# Altium PCB STM32F334R8T6Board_PCB.PcbDoc (part 1 of 2) (continued)
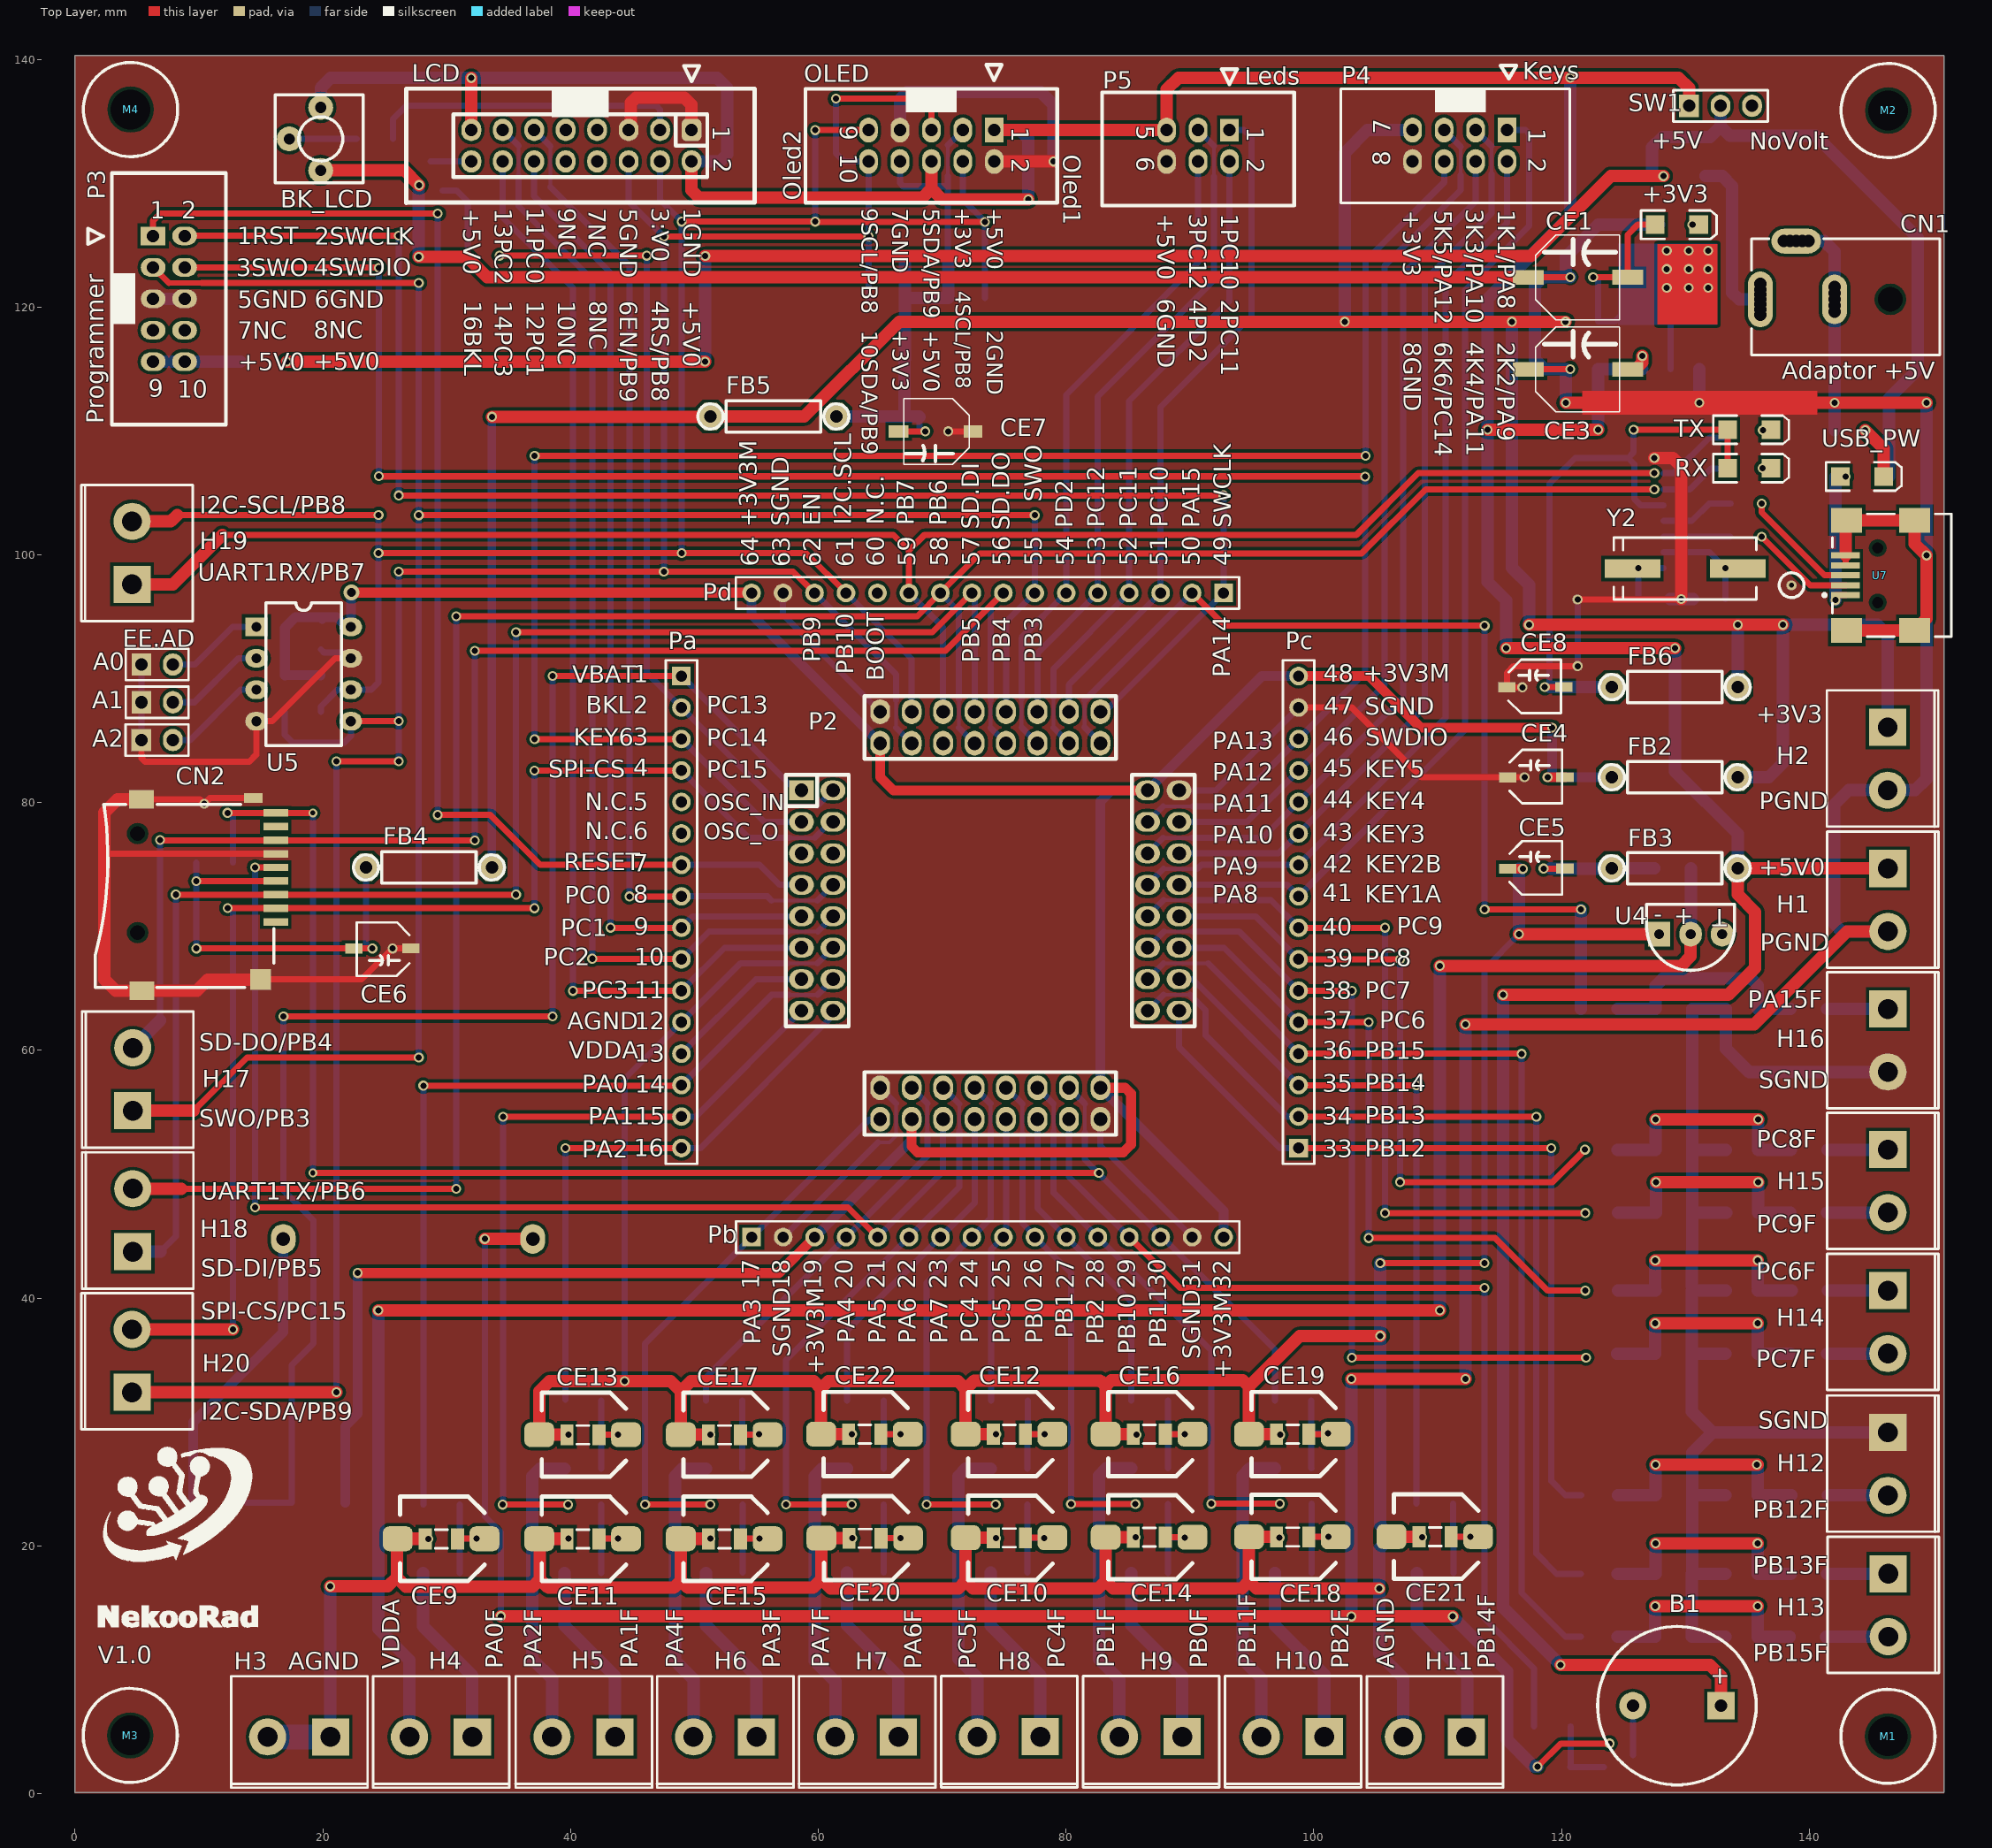
[diagram p0: Top Layer view]
## Components (designator, comment, footprint, x,y, rotation, side; value= is the part's Value field where it differs from the comment) (continued)
OLED "Header 5X2" IDC10-BOX 69.13,133.02 r270 top
P2 "TQFP64IDC" tqfp64idc 58.645,80.985 r0 top
P3 "Serial Wire" IDC10-BOX 7.57,120.67 r0 top
P4 "Keys" IDC8-BOX 111.752,133.006 r180 top
P5 "LEDs" IDC6-BOX 90.665,133.02 r270 top
Pa "Header 16" HDR1X16#1 48.95,90.215 r270 top
Pb "Header 16" HDR1X16#2 54.625,44.925 r0 top
Pc "Header 16" HDR1X16#3 98.775,52.115 r90 top
Pd "Header 16" HDR1X16#4 92.715,96.925 r180 top
Q1 "BCV47" SOT23_BEC_M#1 124.588,3.1 r0 bottom
Q2 "BCV47" SOT23_BEC_M#2 28.7,130.59 r90 bottom
R4 "Comment" RES_1206#1 129.314,125.769 r180 bottom
R5 "220" RES_1206#1 129.006,75.582 r0 bottom
R6 "10K" RES_1206#1 119.227,4.544 r180 bottom
R7 "10K" RES_1206#1 119.274,3.031 r0 bottom
R8 "Comment" RES_1206#1 11.311,72.331 r0 bottom
R9 "Comment" RES_1206#1 11.239,74.269 r180 bottom
R10 "Comment" RES_1206#1 20.719,88.789 r270 bottom
R11 "Comment" RES_1206#1 17.819,88.769 r270 bottom
R13 "1K" RES_1206#1 24.164,132.699 r180 bottom
R14 "10K" RES_1206#1 33.211,124.881 r0 bottom
R15 "RESISTOR" RES_1206#1 72.011,121.606 r0 bottom
R16 "RESISTOR" RES_1206#1 65.489,119.844 r180 bottom
R17 "RESISTOR" RES_1206#1 72.011,124.681 r0 bottom
R18 "RESISTOR" RES_1206#1 65.489,122.894 r180 bottom
R19 "RESISTOR" RES_1206#1 135.129,110.95 r0 bottom
R20 "RESISTOR" RES_1206#1 135.115,107.856 r0 bottom
R21 "Comment" RES_1206#1 135.136,102.356 r0 bottom
R22 "Comment" RES_1206#1 135.161,105.031 r0 bottom
R23 "Comment" RES_1206#1 143.489,109.169 r180 bottom
R24 "1K%" RES_1206#2 29.611,16.944 r0 bottom
R25 "NC" RES_1206#2 29.611,19.694 r0 bottom
R26 "1K%" RES_1206#2 29.539,24.206 r180 bottom
R27 "NC" RES_1206#1 75.436,18.731 r0 bottom
R28 "NC" RES_1206#1 75.436,21.506 r0 bottom
R29 "NC" RES_1206#1 75.364,22.469 r180 bottom
R30 "1K%" RES_1206#2 41.036,16.944 r0 bottom
R31 "NC" RES_1206#2 41.036,19.694 r0 bottom
R32 "1K%" RES_1206#2 40.964,24.206 r180 bottom
R33 "NC" RES_1206#1 75.436,27.106 r0 bottom
R34 "NC" RES_1206#1 75.461,29.881 r0 bottom
R35 "NC" RES_1206#1 75.389,30.844 r180 bottom
R36 "1K%" RES_1206#2 41.036,25.344 r0 bottom
R37 "NC" RES_1206#2 41.036,28.094 r0 bottom
R38 "1K%" RES_1206#2 40.964,32.606 r180 bottom
R39 "NC" RES_1206#1 86.786,18.706 r0 bottom
R40 "NC" RES_1206#1 86.786,21.531 r0 bottom
R41 "NC" RES_1206#1 86.714,22.494 r180 bottom
R42 "1K%" RES_1206#2 52.461,16.969 r0 bottom
R43 "NC" RES_1206#2 52.461,19.694 r0 bottom
R44 "1K%" RES_1206#2 52.389,24.231 r180 bottom
R45 "NC" RES_1206#1 86.786,27.131 r0 bottom
R46 "NC" RES_1206#1 86.786,29.906 r0 bottom
R47 "NC" RES_1206#1 86.714,30.844 r180 bottom
R48 "1K%" RES_1206#1 52.436,27.106 r0 bottom
R49 "NC" RES_1206#1 52.436,29.881 r0 bottom
R50 "1K%" RES_1206#1 52.364,30.844 r180 bottom
R51 "NC" RES_1206#1 98.386,18.706 r0 bottom
R52 "NC" RES_1206#1 98.386,21.606 r0 bottom
R53 "NC" RES_1206#1 98.314,22.519 r180 bottom
R54 "NC" RES_1206#1 98.386,27.131 r0 bottom
R55 "NC" RES_1206#1 98.336,29.931 r0 bottom
R56 "NC" RES_1206#1 98.289,30.844 r180 bottom
R57 "100R%" RES_1206#1 63.836,18.731 r0 bottom
R58 "NC" RES_1206#1 63.836,21.506 r0 bottom
R59 "100R%" RES_1206#1 63.764,22.469 r180 bottom
R60 "100R%" RES_1206#1 109.836,18.706 r0 bottom
R61 "NC" RES_1206#1 109.836,21.631 r0 bottom
R62 "100R%" RES_1206#1 109.739,22.544 r180 bottom
R63 "NC" RES_1206#1 63.836,27.106 r0 bottom
R64 "NC" RES_1206#1 63.836,29.881 r0 bottom
R65 "NC" RES_1206#1 63.764,30.844 r180 bottom
R66 "100R%" RES_1206#1 139.989,23.194 r180 bottom
R67 "NC" RES_1206#1 129.039,23.219 r180 bottom
R68 "100R%" RES_1206#1 123.039,23.219 r180 bottom
R69 "100R%" RES_1206#1 139.939,34.624 r180 bottom
R70 "NC" RES_1206#1 129.014,34.624 r180 bottom
R71 "100R%" RES_1206#1 122.989,34.624 r180 bottom
R72 "100R%" RES_1206#1 139.939,16.869 r180 bottom
R73 "NC" RES_1206#1 129.039,16.869 r180 bottom
R74 "100R%" RES_1206#1 123.014,16.869 r180 bottom
R75 "100R%" RES_1206#1 139.964,51.094 r180 bottom
R76 "NC" RES_1206#1 129.05,51.1 r180 bottom
R77 "100R%" RES_1206#1 123.014,51.083 r180 bottom
R78 "100R%" RES_1206#1 139.914,46.019 r180 bottom
R79 "NC" RES_1206#1 129.064,46.019 r180 bottom
R80 "100R%" RES_1206#1 123.039,46.019 r180 bottom
R81 "100R%" RES_1206#1 139.864,11.769 r180 bottom
R82 "NC" RES_1206#1 129.014,11.789 r180 bottom
R83 "100R%" RES_1206#1 123.014,11.789 r180 bottom
R84 "100R%" RES_1206#1 139.914,62.469 r180 bottom
R85 "NC" RES_1206#1 129.039,62.469 r180 bottom
R86 "100R%" RES_1206#1 123.014,62.469 r180 bottom
R87 "100R%" RES_1206#1 140.014,39.719 r180 bottom
R88 "NC" RES_1206#1 129.025,39.725 r180 bottom
R89 "100R%" RES_1206#1 123.035,39.719 r180 bottom
RX "RED" "LED SMD 1206" 135.154,107 r0 top
SW1 "SlideSwitch" HDR1X3 130.3,136.25 r0 top
TX "RED" "LED SMD 1206" 135.154,110.1 r0 top
U2 "Comment" MP04A_M 128.825,117.925 r90 bottom value=AMS1117-3.3V
U4 "LM336" LM336 127.885,69.375 r270 top
U5 "EEPROM_I2C" dip8 14.638,94.19 r0 top
U6 "CH340G" "Header smd 2*8" 128.229,107.825 r180 bottom
U7 "USB mini" "SMD_Mini USB Connector" 150.775,98.35 r0 top
USB_PW "LED" "LED SMD 1206" 144.25,106.325 r0 top
Y2 "12MHZ" "Crystal SMD" 129.408,98.9 r0 top

## Footprints (in the part's own frame and the unit in brackets; to place one, negate y for a bottom-side part, rotate by r counter-clockwise, add the part's x,y. Pads: shape width x height; smd on the part's side, far side on the other; paste and mask are expansions set on the pad)
Battery3 [mm]
  oval 2x2.4 hole 1.1: 1(-6.485,0.015) 2(13.665,0.015)
  silkscreen extent -9.42,-11.6 19.4,11.6
BUZZ [mm]
  rect 2.2x2.2 hole 1: 1(3.556,0)
  round 2.2 hole 1: 2(-3.556,0)
  silkscreen extent -6.4,-6.4 6.4,6.4
"CAP E+1206" [mm]
  rect 1.05x1.7 smd: 1(-2.185,-0.01) 2(-4.781,-0.01)
  rrect50% 2.4x2 smd: 1(-0.005,0) 2(-7.005,0)
  silkscreen extent -6.81,-3.4 0,3.4
cap-e-2 [mm] "1u-50v"
  rect 0.8x1.4 smd: 1(-0.075,-1.22) 2(-0.09,3.39)
  silkscreen extent -2.18,-0.98 2.14,3.26, body extent -1.68,-0.65 1.62,2.95, height 5.4
CAP-E-3 [mm] "22u-35v"
  rect 1x1.6 smd: 1(-0.075,-1.1)
  rect 1x1.5 smd: 2(-0.065,4.9)
  silkscreen extent -2.72,-0.69 2.62,4.62, body extent -2.64,-1.03 2.66,4.87, height 5.41
CAP-E-4 [mm] "(100u-35v)(47u-16v)(220u-16v)(100u-16v)(10u-50v)"
  rect 1.2x2.5 smd: 1(0,-1.71) 2(-0.005,6.3)
  silkscreen extent -3.43,-1.07 3.43,5.71, body extent -3.27,-1.22 3.33,5.78, height 7.7
"Crystal SMD" [mm]
  rect 4.5x1.5 smd: 1(-3.683,0) 2(4.817,0)
  silkscreen extent -5.18,-2.5 6.32,2.5, body extent -5.64,-2.25 6.66,2.25, height 5.18
"Diode SMA-M" [mm] "Molded Diode, 2-Leads, Body 4.30x2.70mm, IPC Low Density"
  rect 2.2x1.65 smd: 1(2.15,0) 2(-2.15,0)
  silkscreen extent -3.07,-1.45 2.3,1.5, body extent -2.3,-1.45 2.3,1.45, height 2.44
dip8 [mm]
  rect 1.8x1.5 hole 0.8: 1(0,0)
  oval 1.8x1.5 hole 0.8: 2(0,-2.54) 3(0,-5.08) 4(0,-7.62) 5(7.62,-7.62) 6(7.62,-5.08) 7(7.62,-2.54) 8(7.62,0)
  silkscreen extent 0.76,-9.58 6.86,1.96, body extent -0.13,-9.53 7.75,1.91, height 4.19
HDR1X2 [mm] "Connector; Header; 2 Position"
  rect 1.6x1.8 hole 1: 1(0,0)
  oval 1.6x1.8 hole 1: 2(2.54,0)
  silkscreen extent -1.27,-1.27 3.81,1.27
HDR1X3 [mm] "Connector; Header; 3 Position"
  rect 1.6x1.8 hole 1: 1(0,0)
  oval 1.6x1.8 hole 1: 2(2.54,0) 3(5.08,0)
  silkscreen extent -1.27,-1.27 6.35,1.27
HDR1X16#1 [mm] "Connector; Header; 16 Position"
  rect 1.5x1.5 hole 0.9: 1(0,0)
  round 1.5 hole 0.9: 2(2.54,0) 3(5.08,0) 4(7.62,0) 5(10.16,0) 6(12.7,0) 7(15.24,0) 8(17.78,0) 9(20.32,0) 10(22.86,0) 11(25.4,0) 12(27.94,0) 13(30.48,0) 14(33.02,0) 15(35.56,0) 16(38.1,0)
  silkscreen extent -1.27,-1.27 39.37,1.27
HDR1X16#2 [mm] "Connector; Header; 16 Position"
  rect 1.5x1.5 hole 0.9: 17(0,0)
  round 1.5 hole 0.9: 18(2.54,0) 19(5.08,0) 20(7.62,0) 21(10.16,0) 22(12.7,0) 23(15.24,0) 24(17.78,0) 25(20.32,0) 26(22.86,0) 27(25.4,0) 28(27.94,0) 29(30.48,0) 30(33.02,0) 31(35.56,0) 32(38.1,0)
  silkscreen extent -1.27,-1.27 39.37,1.27
HDR1X16#3 [mm] "Connector; Header; 16 Position"
  rect 1.5x1.5 hole 0.9: 33(0,0)
  round 1.5 hole 0.9: 34(2.54,0) 35(5.08,0) 36(7.62,0) 37(10.16,0) 38(12.7,0) 39(15.24,0) 40(17.78,0) 41(20.32,0) 42(22.86,0) 43(25.4,0) 44(27.94,0) 45(30.48,0) 46(33.02,0) 47(35.56,0) 48(38.1,0)
  silkscreen extent -1.27,-1.27 39.37,1.27
HDR1X16#4 [mm] "Connector; Header; 16 Position"
  rect 1.5x1.5 hole 0.9: 49(0,0)
  round 1.5 hole 0.9: 50(2.54,0) 51(5.08,0) 52(7.62,0) 53(10.16,0) 54(12.7,0) 55(15.24,0) 56(17.78,0) 57(20.32,0) 58(22.86,0) 59(25.4,0) 60(27.94,0) 61(30.48,0) 62(33.02,0) 63(35.56,0) 64(38.1,0)
  silkscreen extent -1.27,-1.27 39.37,1.27
"header screw 2*1" [mm]
  rect 3x3 hole 1.6: 1(0.705,1.985)
  round 3 hole 1.6: 2(0.705,-3.095)
  silkscreen extent -4.2,-6.05 4.8,4.97
"Header smd 2*8" [mm]
  oval 2.2x0.6 smd: 1(0,0) 2(0,-1.27) 3(0,-2.54) 4(0,-3.81) 5(0,-5.08) 6(0,-6.35) 7(0,-7.62) 8(0,-8.89) 9(4.8,-8.89) 10(4.8,-7.62) 11(4.8,-6.35) 12(4.8,-5.08) 13(4.8,-3.81) 14(4.8,-2.54) 15(4.8,-1.27) 16(4.8,0)
  silkscreen extent -0.12,-9.45 3.3,0.97, body extent -0.7,-9.53 5.5,0.63, height 1.73
IDC6-BOX [mm]
  rect 2x4.4 on Top Overlay: 0(-3.429,0)
  rect 1.8x1.5 hole 1: 1(-1.27,2.54)
  oval 2x1.5 hole 1: 2(1.27,2.54) 3(-1.27,0) 4(1.27,0) 5(-1.27,-2.54) 6(1.27,-2.54)
  silkscreen extent -6.19,-7.75 4.83,7.75, body extent -4.44,-7.62 5.01,7.62, height 9.1
IDC8-BOX [mm]
  rect 1.5x2 hole 1: 1(-3.848,-1.284)
  oval 1.5x2 hole 1: 2(-3.848,1.256) 3(-1.308,-1.284) 4(-1.308,1.256) 5(1.232,-1.284) 6(1.232,1.256) 7(3.772,-1.284) 8(3.772,1.256)
  silkscreen extent -8.93,-6.5 9.57,4.59
IDC10-BOX [mm]
  rect 2x1.5 hole 1: 1(-1.27,5.08)
  oval 2x1.5 hole 1: 2(1.27,5.08) 3(-1.27,2.54) 4(1.27,2.54) 5(-1.27,0) 6(1.27,0) 7(-1.27,-2.54) 8(1.27,-2.54) 9(-1.27,-5.08) 10(1.27,-5.08)
  silkscreen extent -6.54,-10.16 4.6,10.16, body extent -4.6,-10.16 5.22,10.16, height 133.79
IDC16_BOX [mm]
  rrect50% 1.8x1.6 hole 1: 1(-0.17,-2.751)
  oval 1.8x1.6 hole 1: 2(2.37,-2.751) 3(-0.17,-5.291) 4(2.37,-5.291) 5(-0.17,-7.831) 6(2.37,-7.831) 7(-0.17,-10.371) 8(2.37,-10.371) 9(-0.17,-12.911) 10(2.37,-12.911) 11(-0.17,-15.451) 12(2.37,-15.451) 13(-0.17,-17.991) 14(2.37,-17.991) 15(-0.17,-20.531) 16(2.37,-20.531)
  silkscreen extent -5.34,-25.78 5.71,2.33
JFP [mm]
  round 2 hole 0.9: 1(2.54,0) 2(0,-2.54) 3(-2.54,0)
  silkscreen extent -3.56,-3.68 3.56,3.43
"LED SMD 1206" [mm]
  rect 1.5x1.5 smd: 1(-1.75,0) 2(1.75,0)
  silkscreen extent -2.9,-1.15 3.2,1.15, body extent -1.65,-0.76 1.65,0.69, height 1.36
LM336 [mm]
  rect 2x1.8 hole 0.8: 1(0,0)
  oval 2x1.8 hole 0.8: 2(0,2.54) 3(0,5.08)
  silkscreen extent -2.41,-1.02 2.92,6.1
"Micro sd csrd" [mm]
  rect 2x0.6 smd: 1(-7.649,1.831) 2(-7.649,0.731) 3(-7.649,-0.369) 4(-7.649,-1.469) 5(-7.649,-2.569) 6(-7.649,-3.669) 7(-7.649,-4.769) 8(-7.649,-5.869) 9(-7.649,-6.969)
  rect 1.5x0.8 smd: 10(-5.838,-8.178)
  rect 1.7x1.7 smd: 11(-6.43,6.481)
  rect 2x1.5 smd: 12(3.179,-8.051) 13(3.17,7.381)
  round 0.5 hole 1.2 unplated mask+0.05: ""(3.506,2.696) ""(3.506,-5.305)
  silkscreen extent -7.49,-7.67 6.93,7.13, body extent -7.68,-8.35 7.57,7.65, height 1.85
MP04A_M [mm] "SOT223, 4-Leads, Body 6.5x3.5mm, Pitch 2.3mm, Lead Span 7mm, IPC Low Density"
  rect 2.7x1 smd: 1(-2.95,2.3) 2(-2.95,0) 3(-2.95,-2.3)
  rect 2.7x3.3 smd: 4(2.95,0)
  silkscreen extent -3.07,-3.35 1.3,3.48, body extent -3.49,-3.24 3.49,3.24, height 1.64
"Power Jack" [mm] "Power Adaptor Jack"
  round 1.5 hole 1: 1(14.5,-1.25) 1(14.5,-0.8) 1(14.5,-0.4) 1(14.5,0.4) 1(14.5,0.8) 1(14.5,1.25) 2(8.5,-1) 2(8.5,1) 2(8.5,-0.5) 2(8.5,0.5) 3(10.6,-4.7) 3(11.1,-4.7) 3(12.1,-4.7) 3(12.6,-4.7)
  oval 2x4.5 hole 1: 1(14.5,0)
  oval 2x4 hole 1: 2(8.5,0)
  oval 4x2 hole 1: 3(11.6,-4.7)
  round 1.9 hole 2: MH(4,0)
  silkscreen extent 0,-4.9 15.2,4.5, body extent 0,-4.9 15.2,4.5, height 11
r4p [mm]
  oct 2.2x2 hole 1: 1(0,0) 2(0,-10.16)
  silkscreen extent -1.27,-11.17 1.27,1.02
RES_1206#1 [mm] "SMD"
  rect 1.05x1.7 smd: 1(-1.511,0.881) 2(1.439,0.881)
  silkscreen extent -2.21,-0.14 2.14,1.91, body extent -1.69,0.03 1.61,1.73, height 0.94
RES_1206#2 [mm] "SMD"
  rect 1.05x1.7 smd: 1(-1.511,-0.881) 2(1.439,-0.881)
  silkscreen extent -2.21,-1.91 2.14,0.14, body extent -1.69,-1.73 1.61,-0.03, height 0.94
SMD_CAP_1206 [mm]
  rect 1.05x1.7 smd: 1(0,0) 2(2.596,0)
  silkscreen extent 0.8,-0.75 1.8,0.75, body extent -0.22,-0.77 2.82,0.75, height 0.75
"SMD_Mini USB Connector" [mm]
  rect 2.3x0.5 smd: 1(-7.85,-1.6) 2(-7.85,-0.8) 3(-7.85,0) 4(-7.85,0.8) 5(-7.85,1.6)
  rect 2.5x2 smd: 6(-7.75,4.45) 7(-2.25,4.45) 8(-7.75,-4.45) 9(-2.25,-4.45)
  round 0.6 hole 0.9 unplated: MH1(-5.25,2.2) MH2(-5.25,-2.2)
  silkscreen extent -9.67,-4.95 0.7,4.95, body extent -8.6,-5.64 40.34,5.16, height 5.8
SOT23_BEC_M#1 [mm] "SOT23, 3-Leads, Body 2.9x1.3mm, Pitch 0.95mm, Lead Span 2.4mm, IPC Low Density"
  rect 1.8x0.8 smd: 1(-1.175,0.95) 2(-1.175,-0.95) 3(1.175,0)
  silkscreen extent -1.3,-1.5 0.7,1.92, body extent -1.23,-1.45 1.07,1.45, height 1
SOT23_BEC_M#2 [mm] "SOT23, 3-Leads, Body 2.9x1.3mm, Pitch 0.95mm, Lead Span 2.4mm, IPC Low Density"
  rect 1.5x0.8 smd: 1(-1.175,0.95) 2(-1.175,-0.95) 3(1.175,0)
  silkscreen extent -1.3,-1.5 0.7,1.93, body extent -1.23,-1.45 1.07,1.45, height 1
Stud-hole [mil]
  round 60 hole 125.98: 1(0,0)
  silkscreen extent -149,-150 150,150
tqfp64idc [mm]
  rect 2x1.6 hole 1.1: 1(0,0)
  oval 2x1.6 hole 1.1: 2(2.54,0) 3(0,-2.54) 4(2.54,-2.54) 5(0,-5.08) 6(2.54,-5.08) 7(0,-7.62) 8(2.54,-7.62) 9(0,-10.16) 10(2.54,-10.16) 11(0,-12.7) 12(2.54,-12.7) 13(0,-15.24) 14(2.54,-15.24) 15(0,-17.78) 16(2.54,-17.78) 33(30.48,-17.78) 34(27.94,-17.78) 35(30.48,-15.24) 36(27.94,-15.24) 37(30.48,-12.7) 38(27.94,-12.7) 39(30.48,-10.16) 40(27.94,-10.16) 41(30.48,-7.62) 42(27.94,-7.62) 43(30.48,-5.08) 44(27.94,-5.08) 45(30.48,-2.54) 46(27.94,-2.54) 47(30.48,0) 48(27.94,0)
  oval 1.6x2 hole 1.1: 17(6.35,-26.543) 18(6.35,-24.003) 19(8.89,-26.543) 20(8.89,-24.003) 21(11.43,-26.543) 22(11.43,-24.003) 23(13.97,-26.543) 24(13.97,-24.003) 25(16.51,-26.543) 26(16.51,-24.003) 27(19.05,-26.543) 28(19.05,-24.003) 29(21.59,-26.543) 30(21.59,-24.003) 31(24.13,-26.543) 32(24.13,-24.003) 49(24.13,6.35) 50(24.13,3.81) 51(21.59,6.35) 52(21.59,3.81) 53(19.05,6.35) 54(19.05,3.81) 55(16.51,6.35) 56(16.51,3.81) 57(13.97,6.35) 58(13.97,3.81) 59(11.43,6.35) 60(11.43,3.81) 61(8.89,6.35) 62(8.89,3.81) 63(6.35,6.35) 64(6.35,3.81)
  silkscreen extent -1.27,-27.81 31.75,7.62

## Part data
3V3_JP A0 A1 A2: library part "jumper SMD"
+3V3: library part LED, "LED", Adding Date=1387/12/22, Color=HB, Designer="Saeid Jorablo", Organazation=ControTec, Size="SMD 1206"
B2: library part "Battry Backup"
BK_LCD: "Potentiometer", LatestRevisionDate=17-Jul-2002, LatestRevisionNote="Re-released for DXP Platform.", PackageDescription="Variable Resistor, Thru-Hole; 3 Leads", PackageReference=VR5, Published=8-Jun-2000, Publisher="Altium Limited", Set Position=0.5, Sim Note="Enter the Resistance value and the set point into parameter fields."
C10 C11 C12 C13 C15 C16 C17 C18 C19 C20 C21: library part "Capacitor SMD"
  C10 C11 C12 C13 C15 C16 C17 C18 C19: =100nF
  C20 C21: =22pF
C22 C23 C24 C25 C26 C27 C28 C29: library part C
CE1 CE3: library part CAP_THD_EL_10u25V, "CAP, THD, ELEC, 10uF, 25V", =http://www.chila.ir, MANF=MANF, MANF_P#=MANF_PART#, PARAM=25V, PARAM2=PARAM2
CE4 CE5 CE6 CE7 CE8: library part "Capacitor Tantalium"
CE9 CE10 CE11 CE12 CE13 CE14 CE15 CE16 CE17 CE18 CE19 CE20 CE21 CE22: library part E
CN1: library part "Power Jack"
CN2: library part "Micro SD Card"
D1 D2 D3 D4 D5: library part 1N4001
FB2 FB3 FB4 FB5 FB6: library part "Ferrit Bead"
H1 H2 H3 H4 H5 H6 H7 H8 H9 H10 H11 H12 H13 H14 H15 H16 H17 H18 H19 H20: library part HDR_M_1X2, "CONN, HEADER, Male, pitch: 2.54mm, 2POS", =http://www.chila.ir
LCD: library part "Header 8X2", "Header, 8-Pin, Dual row", LatestRevisionDate=17-Jul-2002, LatestRevisionNote="Re-released for DXP Platform.", Publisher="Altium Limited"
M1 M2 M3 M4: library part SCMH_M1P6, "SCREW mouting, M1.6, 1.6mm diameter and 3.2mm PanHead", =http://www.chila.ir, ASSEMBLY=DNP
OLED: "Header, 5-Pin, Dual row", LatestRevisionDate=17-Jul-2002, LatestRevisionNote="Re-released for DXP Platform.", Publisher="Altium Limited"
P3: library part "Header 5X2", "Header, 5-Pin, Dual row", LatestRevisionDate=17-Jul-2002, LatestRevisionNote="Re-released for DXP Platform.", Publisher="Altium Limited"
P4: library part "Header 4X2", "Header, 4-Pin, Dual row", LatestRevisionDate=17-Jul-2002, LatestRevisionNote="Re-released for DXP Platform.", Publisher="Altium Limited"
P5: library part "Header 3X2", "Header, 3-Pin, Dual row", LatestRevisionDate=17-Jul-2002, LatestRevisionNote="Re-released for DXP Platform.", Publisher="Altium Limited"
Pa Pb Pc Pd: "Header, 16-Pin", LatestRevisionDate=17-Jul-2002, LatestRevisionNote="Re-released for DXP Platform.", Publisher="Altium Limited"
Q1 Q2: library part "NPN DAR"
R4 R8 R9 R10 R11 R15 R16 R17 R18 R19 R20 R21 R22 R23: library part "Resistor SMD"
  R4: =1K
  R8 R10 R11: =4.7K
  R9 R15 R16 R17 R18: =10K
  R19 R20: =1K5
  R21 R22: =27R
  R23: =330
R5 R6 R7 R13 R14: library part Resistor, "Resistor", Power="1/8 W", Tolerance=5%
R24 R25 R26 R27 R28 R29 R30 R31 R32 R33 R34 R35 R36 R37 R38 R39 R40 R41 R42 R43 R44 R45 R46 R47 R48 R49 R50 R51 R52 R53 R54 R55 R56 R57 R58 R59 R60 R61 R62 R63 R64 R65 R66 R67 R68 R69 R70 R71 R72 R73 R74 R75 R76 R77 R78 R79 R80 R81 R82 R83 R84 R85 R86 R87 R88 R89: library part R
RX TX USB_PW: library part "LED SMD"
SW1: library part SWSLIDT_SPDT_S_8X4, "SWITCH, SLIDE, SPDT, 8.6X4.3mm, THD", =http://www.chila.ir, ASSEMBLY=ASSEMBLY, DESC=DESCRIPTION, MANF=C&K, MANF_PART#=OS102011MS2QN1, PARAM=PARAM, PRICE=0.4$
U2: library part VREG_1117_SOT223, "REG, Linear, LDO1V, 0.8A, SOT-223", =http://www.chila.ir, MANF="TI, ON, ST", MANF_P#="LD1117, LM1117, AMS1117, TLV1117, REG1117, NCP1117, LT1117, SPX1117", PARAM="LDO1V, 0.8A", PARAM2=1.2/1.5/1.8/2.5/2.85/3.3/5V
U5: library part AT24C128
U6: library part CH340G_SOP16, "USB-UART", =http://www.chila.ir, MANF_P#=CH340G
U7: "mini USB Connector"
Y2: library part Xtal

## Via types
v1: diameter 0.8, hole 0.5, Top Layer to Bottom Layer, 225 vias
v2: diameter 0.7, hole 0.4, Top Layer to Bottom Layer, 2 vias
v3: diameter 1.27, hole 0.711, Top Layer to Bottom Layer, 1 vias
v4: diameter 0.8, hole 0.4, Top Layer to Bottom Layer, 1 vias

## Nets (pads, with @x,y where several pads share a name; then routed paths per layer and width w, separated by ;. In a path a pad name is that pad's centre, name@x,y a point inside that pad or via, vN(x,y) a via of type N, cw(c..) or ccw(c..) an arc to the next point about the centre after c; other vN are vias at no path point)
+3V3: 3V3_JP.2 FB2.1 FB4.1 FB5.1 FB6.1 H2.1 P4.7 | length 228.2
  Top Layer w1: v1(33.65,111.15) 51.275,111.15 FB5.1@51.3,111.175 58.87,111.175 66.52,118.825 v1(102.5,118.825) v1(116,118.825) v1(120.325,118.825) ; v1(117.375,94.35) v1(134.225,94.35) v1(137.875,94.35)
  Bottom Layer w0.7: FB4.1@33.645,74.769 33.647,74.771 33.647,111.122 v1@33.645,111.125
  Bottom Layer w1: v1(102.5,118.825) 102.5,132.45 104.34,134.29 P4.7@107.98,134.29 ; v1(116,118.825) 116,98.95 117.375,97.575 v1(117.375,94.35) ; FB2.1@134.225,82.05 136.725,82.05 137.863,83.187 137.863,94.338 v1(137.875,94.35) 145.5,94.35 146.33,93.52 H2.1@146.33,86.085 ; FB6.1@134.225,89.325 v1(134.225,94.35)
+3V3_CH340: C19.2 CE8.1 FB6.2 RX.1 TX.1 U6.4 U6.16 | length 49.5
  Top Layer w0.5: v1(118.65,89.325) CE8.1@120.2,89.325 ; v1(125.825,110.1) TX.1@133.404,110.1 RX.1@133.404,107
  Bottom Layer w0.5: C19.2@119.016,89.315 119.016,89.325 119.016,105.741 121.1,107.825 U6.16@123.429,107.825 125.375,107.825 ; v1(125.825,110.1) 125.825,108.276 125.375,107.825 ; U6.4@128.229,104.015 126.379,104.015 125.877,104.518 125.877,107.323 125.375,107.825
  Bottom Layer w1: C19.2@119.016,89.325 FB6.2@124.065,89.325
+3V3_MIC: C12.2 C17.2 CE4.1 D5.1 FB2.2 P2.19 P2.32 P2.48 P2.64 Pb.19 Pb.32 Pc.48 Pd.64 R10.1 R11.1 U5.8 | length 278.1
  Top Layer w0.8: v3@22.325,96.95 54.59,96.95 Pd.64@54.615,96.925 ; v1(22.8,42.025) 56.805,42.025 Pb.19@59.705,44.925 ; P2.64@64.995,84.795 64.995,82.055 66.065,80.985 P2.48@86.585,80.985 ; P2.19@67.535,54.442 67.535,52.242 68.004,51.773 84.623,51.773 85.244,52.394 85.244,56.513 84.775,56.982 P2.32@82.775,56.982 ; Pc.48@98.775,90.215 104.46,90.215 108.625,86.05 v1(119.25,86.05) ; v1(118.875,82.05) CE4.1@120.28,82.049
  Bottom Layer w0.8: R10.1@19.818,90.28 19.808,90.29 16.948,90.29 R11.1@16.938,90.28 16.938,94.121 17.788,94.971 C17.2@19.838,94.971 ; C17.2@19.963,94.846 C17.2@19.838,94.971 ; D5.1@21.8,23.475 21.8,29.65 22.8,30.65 v1(22.8,42.025) ; v3@22.279,96.954 22.279,94.211 U5.8@22.258,94.19 21.918,94.19 21.137,94.971 C17.2@19.838,94.971 ; Pd.64@54.615,96.925 54.615,95.175 P2.64@64.995,84.795 ; Pb.19@59.705,44.925 67.535,52.755 P2.19@67.535,54.442 ; Pb.32@92.725,44.925 92.725,47.032 P2.32@82.775,56.982 82.775,80.1 83.66,80.985 P2.48@86.585,80.985 95.815,90.215 Pc.48@98.775,90.215 ; v1(119.25,86.05) C12.2@119.25,82.05 FB2.2@124.065,82.05
  other v3: 22.3,96.975
+3V3_OLED: C18.2 CE7.1 FB5.2 OLED.3 OLED.8 R15.1 R16.1 R17.1 R18.1 | length 45.9
  Top Layer w0.5: CE7.1@66.48,109.975 v1@68.625,109.975
  Bottom Layer w0.3: 70.45,130.575 70.45,133.07
  Bottom Layer w0.5: OLED.8@66.59,131.75 66.59,130.01 66.85,129.75 70.45,129.75 ; C18.2@68.176,109.976 68.176,111.15 ; 70.45,130.575 70.45,129.75 ; 70.45,133.07 OLED.3@71.67,134.29 ; R15.1@70.48,120.725 R15.1@70.5,120.725 ; R17.1@70.5,123.8 70.45,123.85 70.45,129.75
  Bottom Layer w1: FB5.2@61.46,111.175 68.151,111.175 68.176,111.15 ; 66.95,111.2 66.95,115.762 67,115.813 R16.1@67,120.725 ; R18.1@67,123.775 R16.1@67,120.725 ; R17.1@70.48,123.78 70.5,123.76 70.5,120.745 70.48,120.725 R16.1@67,120.725
  other v1: 68.625,109.975
+3V3_SD: C16.2 CE6.1 CN2.4 FB4.2 R8.1 R9.2 | length 34.1
  Top Layer w0.5: v1@9.781,73.669 v1(9.784,73.672) 16.196,73.672 CN2.4@16.199,73.669 ; v1(9.8,68.225) CE6.1@22.51,68.225 v1(24,68.225)
  Bottom Layer w0.5: v1(9.8,68.225) R8.1@9.8,71.45 9.8,73.675 R9.2@9.8,75.15 ; C16.2@23.479,68.225 23.482,68.228 23.482,74.766 FB4.2@23.479,74.769
+5V0: B1.1 BK_LCD.3 C11.2 CE3.1 FB3.1 H1.1 LCD.2 LCD.15 OLED.1 OLED.6 P5.5 SW1.1 U2.3 | length 365.8
  Top Layer w1: v1(31.975,138.5) 31.986,138.489 LCD.15@31.986,134.305 ; LCD.2@49.766,131.765 49.766,129.434 50.352,128.848 68.408,128.848 69.13,129.57 ; OLED.6@69.13,131.75 69.13,129.57 ; OLED.1@74.21,134.29 P5.5@88.125,134.29 88.125,137.575 89.075,138.525 v1(120.7,138.525) 129.45,138.525 130.3,137.675 SW1.1@130.3,136.25 ; v1(76.95,128.7) 70,128.7 69.13,129.57 ; v1(114.025,110.1) v1(122.95,110.1) ; v1(115.275,64.475) 133.45,64.475 135.625,66.65 135.625,71.175 134.22,72.58 FB3.1@134.22,74.701 ; v1(115.525,92.475) v1(129.175,92.475) ; v1(119.925,10.375) 132,10.375 132.875,9.5 B1.1@132.875,7.1 ; CE3.1@125.335,114.98 125.985,114.98 126.525,115.52 v1(126.525,116.05) ; FB3.1@134.241,74.68 134.251,74.69 146.34,74.69 H1.1@146.35,74.68
  Bottom Layer w1: BK_LCD.3@19.83,136.12 19.83,137.705 20.625,138.5 v1(31.975,138.5) 51.825,138.5 52.652,137.673 52.652,132.351 52.066,131.765 LCD.2@49.766,131.765 ; OLED.1@74.21,134.29 76.235,134.29 76.95,133.575 v1(76.95,128.7) ; v1(115.275,64.475) 115.275,62.725 115.275,15.025 v1(119.925,10.375) ; v1(115.525,92.475) 115.525,96.325 114.025,97.825 v1(114.025,110.1) 114.025,120.675 120.7,127.35 v1(120.7,138.525) ; v1(122.95,110.1) C11.2@122.95,115 126.525,115 U2.3@126.525,114.975 ; v1(129.175,92.475) 129.175,82.525 134.22,77.48 FB3.1@134.22,74.701
+VIN: D1.2 D3.2 D4.2 SW1.2 | length 172.4
  Top Layer w1: v1(17.1,115.6) v1(50.85,115.6) ; v1(50.875,124.125) 117.525,124.125 123.975,130.575 v1(128.225,130.575)
  Bottom Layer w1: v1(50.85,115.6) 50.85,124.1 v1(50.875,124.125) ; D1.2@127.325,130.575 127.325,132.9 128.17,133.745 131.995,133.745 132.84,134.59 ; SW1.2@132.84,136.25 132.84,134.59 ; D4.2@146.425,106.325 146.425,112.625 148.75,114.95 148.75,125.6 140.5,133.85 133.58,133.85 132.84,134.59
AGND: C13.1 CE5.2 CE9.2 CE10.2 CE11.2 CE12.2 CE13.2 CE14.2 CE15.2 CE16.2 CE17.2 CE18.2 CE19.2 CE20.2 CE21.2 CE22.2 H3.1 H3.2 H11.2 P2.12 Pa.12 R25.1 R28.1 R31.1 R34.1 R37.1 R40.1 R43.1 R46.1 R49.1 R52.1 R55.1 R58.1 R61.1 R64.1 U4.1 | length 396.1
  Top Layer w0.5: v1(105.375,42.825) v1(113.775,42.825)
  Top Layer w0.8: CE5.2@115.67,74.659 v1@116.866,74.659
  Top Layer w1: v1(20.6,16.725) 25.25,16.725 25.975,17.45 ; CE9.2@25.975,20.575 25.975,17.45 ; CE9.2@26.05,20.575 28.264,20.575 CE9.2@28.274,20.565 ; CE11.2@37.475,20.575 CE11.2@37.525,20.575 ; CE11.2@39.699,20.565 39.689,20.575 CE11.2@37.525,20.575 ; CE13.2@39.699,28.965 39.689,28.975 CE13.2@37.475,28.975 37.475,32.475 38.3,33.3 v1(44.375,33.3) 48.075,33.3 48.9,32.475 ; CE15.2@51.124,20.565 51.114,20.575 CE15.2@48.9,20.575 48.9,17.2 ; CE17.2@51.124,28.965 51.114,28.975 CE17.2@48.9,28.975 48.9,32.475 ; CE22.2@62.449,29.015 62.439,29.025 CE22.2@60.225,29.025 60.225,32.7 ; CE20.2@62.474,20.615 62.464,20.625 CE20.2@60.25,20.625 60.25,17.3 ; CE10.2@74.124,20.64 74.114,20.65 CE10.2@71.9,20.65 71.9,17.15 ; CE12.2@74.124,29.015 74.114,29.025 CE12.2@71.9,29.025 71.9,32.65 ; CE14.2@85.424,20.69 85.414,20.7 CE14.2@83.2,20.7 83.2,17.175 ; CE16.2@85.424,29.015 85.414,29.025 CE16.2@83.2,29.025 83.2,32.9 ; CE18.2@96.999,20.715 96.989,20.725 CE18.2@94.775,20.725 94.775,17.15 ; CE19.2@96.999,29.015 96.989,29.025 CE19.2@94.775,29.025 94.775,32.875 ; v1(105.3,16.55) 95.375,16.55 94.775,17.15 ; v1(105.375,36.95) 98.85,36.95 94.775,32.875 ; CE21.2@106.275,20.75 CE21.2@108.489,20.75 ; v1(116.575,69.375) U4.1@127.885,69.375 ; 25.975,17.45 26.711,16.714 36.939,16.714 37.525,17.3 ; 37.525,17.3 CE11.2@37.525,20.575 ; 37.525,17.3 38.211,16.614 48.314,16.614 48.9,17.2 ; 48.9,17.2 49.486,16.614 59.564,16.614 60.25,17.3 ; 48.9,32.475 49.711,33.286 59.639,33.286 60.225,32.7 ; 60.225,32.7 60.811,33.286 71.264,33.286 71.9,32.65 ; 60.25,17.3 60.986,16.564 71.314,16.564 71.9,17.15 ; 71.9,17.15 72.486,16.564 82.589,16.564 83.2,17.175 ; 71.9,32.65 72.6,33.35 82.75,33.35 83.2,32.9 ; 83.2,17.175 83.811,16.564 94.189,16.564 94.775,17.15 ; 83.2,32.9 83.675,33.375 94.275,33.375 94.775,32.875
  Bottom Layer w0.3: 57.55,67.025 59.925,67.025
  Bottom Layer w0.5: v1(44.375,33.3) 44.375,57.7 Pa.12@48.95,62.275 53.7,67.025 57.55,67.025 ; 59.925,67.025 P2.12@61.185,68.285 ; v1(113.775,42.825) 113.775,66.575 v1(116.575,69.375)
  Bottom Layer w1: v1(20.6,16.725) 20.6,4.6 H3.1@20.625,4.575 ; v1(105.375,42.825) v1(105.375,36.95) 105.375,21.65 106.275,20.75 ; H11.2@107.225,4.575 107.225,9.35 105.3,11.275 v1(105.3,16.55) 105.3,19.775 106.275,20.75 ; R61.1@108.325,20.75 106.275,20.75 ; v1(116.575,69.375) C13.1@116.575,74.659
  Bottom Layer w2: H3.2@15.545,4.575 H3.1@20.625,4.575
  other v1: 28.509,20.566 39.825,20.575 51.275,20.575 62.734,20.616 74.334,20.616 97.234,20.666 85.609,20.691 108.75,20.7 39.825,28.975 51.3,28.975 85.684,28.966 97.284,28.966 62.725,29.025 74.359,29.016 116.875,74.65
BKL: P2.2 Pa.2 R14.2 | length 65.6
  Top Layer w0.5: v1(34.275,124.15) v1(46.15,124.15)
  Bottom Layer w0.3: 57.25,79.725 59.925,79.725
  Bottom Layer w0.5: v1(46.15,124.15) 46.15,90.475 56.9,79.725 57.25,79.725 ; 59.925,79.725 P2.2@61.185,80.985
BLK: LCD.16 Q2.3 | length 3.3
  Bottom Layer w0.5: Q2.3@28.7,131.765 LCD.16@31.986,131.765
EN: H20.1 LCD.6 OLED.5 OLED.10 P2.62 Pd.62 R11.2 R16.2 R18.2 U5.5 | length 229.1
  Top Layer w0.5: H20.1@4.6,32.395 H20.1@4.605,32.4 ; v1@21.09,32.4 v1@21.095,32.395 ; v1(21.1,83.325) v1(26.125,83.325) ; U5.5@22.258,86.57 22.26,86.573 v1@26.123,86.573 ; v1(26.125,98.65) v1(47.525,98.65) 57.97,98.65 Pd.62@59.695,96.925 ; v1(47.525,125.7) v1(64.05,125.7) ; v1(61.425,136.825) 68.345,136.825 69.13,136.04 OLED.5@69.13,134.29
  Top Layer w1: H20.1@4.605,32.4 v1@21.09,32.4
  Bottom Layer w0.3: 66.275,86.055 66.275,88.275
  Bottom Layer w0.5: R11.2@16.933,87.33 16.933,85.492 17.575,84.85 21.725,84.85 22.258,85.383 U5.5@22.258,86.57 ; v1(21.1,32.4) v1(21.1,83.325) ; v1(26.125,83.325) v1(26.125,86.575) v1(26.125,98.65) ; LCD.6@44.686,131.765 44.686,128.539 v1(47.525,125.7) v1(47.525,98.65) ; Pd.62@59.695,96.925 66.275,90.345 66.275,88.275 ; v1(61.425,136.825) 61.425,132.425 62.1,131.75 OLED.10@64.05,131.75 v1(64.05,125.7) R18.2@64.05,123.775 R16.2@64.05,120.725 ; 66.275,86.055 P2.62@67.535,84.795
I2C_SCL_OLED: H19.2 LCD.4 OLED.4 OLED.9 P2.61 Pd.61 R10.2 R15.2 R17.2 U5.6 | length 170.7
  Top Layer w0.5: 8.25,103.225 v1(24.5,103.225) ; v1(24.5,100.15) v1(48.975,100.15) 59.01,100.15 Pd.61@62.235,96.925 ; v1(48.975,126.9) v1(59.75,126.9) ; v1@59.75,126.875 59.762,126.888 73.438,126.888 v1(73.45,126.875) ; v1(59.75,134.29) OLED.9@64.05,134.29
  Top Layer w1: H19.2@4.6,102.705 7.73,102.705 8.25,103.225
  Bottom Layer w0.5: R10.2@19.838,87.35 19.838,87.763 21.185,89.11 U5.6@22.258,89.11 23.908,89.11 24.5,89.702 24.5,100.148 v1@24.502,100.15 ; v1(24.5,100.15) v1(24.5,103.225) ; LCD.4@47.226,131.765 47.226,128.649 v1(48.975,126.9) v1(48.975,100.15) ; v1(59.75,126.9) v1(59.75,134.29) ; Pd.61@62.235,96.925 67.535,91.625 P2.61@67.535,87.335 ; OLED.4@71.67,131.75 71.67,128.68 73.45,126.9 R17.2@73.45,123.8 R15.2@73.45,120.725
KEY1A: P2.41 P4.1 Pc.41 | length 81.2
  Bottom Layer w0.5: P2.41@89.125,73.365 97.845,73.365 Pc.41@98.775,72.435 112.2,85.86 112.2,121.375 117.393,126.568 117.393,133.997 117.1,134.29 P4.1@115.6,134.29
KEY2B: P2.42 P4.2 Pc.42 | length 76.6
  Bottom Layer w0.3: 87.87,74.65 90.6,74.65
  Bottom Layer w0.5: P2.42@86.585,73.365 87.87,74.65 ; 90.6,74.65 90.925,74.975 Pc.42@98.775,74.975 110.65,86.85 110.65,121.85 115.6,126.8 P4.2@115.6,131.75
KEY3: P2.43 P4.3 Pc.43 | length 74.1
  Bottom Layer w0.3: 114.35,130.75 114.35,133
  Bottom Layer w0.5: P2.43@89.125,75.905 97.165,75.905 Pc.43@98.775,77.515 108.95,87.69 108.95,122.175 114.35,127.575 114.35,130.75 ; P4.3@113.06,134.29 114.35,133
KEY4: P2.44 P4.4 Pc.44 | length 71.5
  Bottom Layer w0.3: 87.83,77.15 90.125,77.15
  Bottom Layer w0.5: P2.44@86.585,75.905 87.83,77.15 ; 90.125,77.15 95.87,77.15 Pc.44@98.775,80.055 107.225,88.505 107.225,122.7 113.06,128.535 P4.4@113.06,131.75
KEY5: P2.45 P4.5 Pc.45 | length 69
  Bottom Layer w0.3: 111.85,130.675 111.85,132.96
  Bottom Layer w0.5: P2.45@89.125,78.445 94.625,78.445 Pc.45@98.775,82.595 105.7,89.52 105.7,123.3 111.85,129.45 111.85,130.675 ; P4.5@110.52,134.29 111.85,132.96
KEY6: P2.3 P4.6 Pa.3 | length 140.6
  Top Layer w0.5: v1(37.1,108) v1(104.175,108) ; v1@37.11,85.135 37.115,85.13 48.945,85.13 Pa.3@48.95,85.135
  Bottom Layer w0.5: v1(37.1,85.125) v1(37.1,108) ; Pa.3@48.95,85.135 55.64,78.445 P2.3@58.645,78.445 ; v1(104.175,108) 104.175,123.725 110.52,130.07 P4.6@110.52,131.75
MCU_RESET: P2.7 P3.1 Pa.7 | length 104.7
  Top Layer w0.5: P3.1@6.3,125.75 6.3,126.975 6.875,127.55 v1(29.275,127.55) ; v1(29.275,79) 33.525,79 37.55,74.975 Pa.7@48.95,74.975
  Bottom Layer w0.5: v1(29.275,79) v1(29.275,127.55) ; Pa.7@48.95,74.975 55.25,74.975 56.86,73.365 P2.7@58.645,73.365
Net+3V3_1: 3V3_JP.1 +3V3.1 C10.2 CE1.1 U2.2 U2.4 | length 25
  Top Layer w0.5: v1(122.55,122.425) 122.56,122.415 125.325,122.415 CE1.1@125.335,122.405 125.335,125.835 126.15,126.65 +3V3.1@127.575,126.65
  Bottom Layer w0.5: C10.2@122.946,122.425 3V3_JP.1@122.946,118.831 124.301,118.831 126.345,120.875 U2.4@128.825,120.875 U2.2@128.825,114.975
  other v1: 128.5,121.55 130.275,121.55 131.85,121.55 128.5,123.075 130.275,123.075 131.85,123.075 128.5,124.55 130.275,124.55 131.85,124.55
Net+3V3_2: +3V3.2 R4.1
  other v1: 130.575,126.65
NetA0_2: A0.2 U5.1 | length 8
  Bottom Layer w0.5: A0.2@7.895,91.15 9.675,91.15 12.715,94.19 U5.1@14.638,94.19
NetA1_2: A1.2 U5.2 | length 8.2
  Bottom Layer w0.5: A1.2@7.895,88.1 9.625,88.1 13.175,91.65 U5.2@14.638,91.65
NetA2_2: A2.2 U5.3 | length 8.4
  Bottom Layer w0.5: A2.2@7.89,85.05 9.3,85.05 13.36,89.11 U5.3@14.638,89.11
NetB1_2: B1.2 Q1.3 | length 4
  Bottom Layer w0.5: Q1.3@125.763,3.1 B1.2@125.763,7.1
NetB2_1: B2.1 D2.1 | length 24.3
  Bottom Layer w0.8: D2.1@9.525,23.5 9.525,29.975 16.8,37.25 B2.1@16.8,44.775
NetBK_LCD_2: BK_LCD.2 R13.2 | length 5.4
  Bottom Layer w0.5: BK_LCD.2@17.29,133.58 R13.2@22.725,133.58
NetC13_2: C13.2 CE5.1 FB3.2 R5.1 | length 10.1
  Top Layer w0.5: v1(118.55,74.675) CE5.1@120.28,74.674
  Bottom Layer w1: C13.2@119.151,74.701 119.151,74.696 119.171,74.675 124.035,74.675 FB3.2@124.06,74.701 R5.1@127.495,74.701
NetC20_2: C20.2 U6.7 Y2.2 | length 8
  Bottom Layer w0.5: U6.7@128.229,100.205 131.955,100.205 v1(133.225,98.935) C20.2@133.225,96.45
NetC21_1: C21.1 U6.8 Y2.1 | length 4.5
  Bottom Layer w0.5: C21.1@126.175,96.45 126.187,96.462 126.187,98.913 v1(126.2,98.925) ; v1@126.21,98.935 126.216,98.93 128.224,98.93 U6.8@128.229,98.935
NetC22_1: C22.1 R66.2 R67.2 R68.1 | length 18.9
  Top Layer w1: v1(127.6,26.555) v1@135.825,26.555
  Bottom Layer w1: R68.1@124.55,24.1 R67.2@127.6,24.1 v1(127.6,26.555) ; C22.1@135.825,24.075 R66.2@138.55,24.075 ; v1@135.825,26.555 135.825,24.425 135.85,24.4 C22.1@135.85,24.08
  other v1: 135.775,26.555
NetC23_1: C23.1 R69.2 R70.2 R71.1 | length 18.9
  Top Layer w1: v1(127.575,37.96) v1(135.84,37.96)
  Bottom Layer w1: R71.1@124.5,35.505 R70.2@127.575,35.505 v1(127.575,37.96) ; C23.1@135.825,35.505 C23.1@135.84,35.505 ; v1(135.84,37.96) C23.1@135.84,35.505 ; R69.2@138.5,35.505 C23.1@135.84,35.505
NetC24_1: C24.1 R72.2 R73.2 R74.1 | length 18.9
  Top Layer w1: v1(127.6,20.205) v1(135.825,20.205)
  Bottom Layer w1: R74.1@124.525,17.75 R73.2@127.6,17.75 v1(127.6,20.205) ; v1(135.825,20.205) 135.825,18.1 135.85,18.075 C24.1@135.85,17.75 ; C24.1@135.85,17.73 C24.1@135.85,17.75 ; R72.2@138.5,17.75 C24.1@135.85,17.75
NetC25_1: C25.1 R75.2 R76.2 R77.1 | length 18.9
  Top Layer w1: v1(127.6,54.43) v1(135.865,54.43)
  Bottom Layer w1: R77.1@124.525,51.964 124.534,51.972 127.597,51.972 127.6,51.975 v1(127.6,54.43) ; C25.1@135.865,51.955 v1(135.865,54.43) ; C25.1@135.875,51.975 R75.2@138.525,51.975